# Altium PCB Velvet_Controller_v1.1_2022.PcbDoc (part 2 of 3)
Units mm, origin at the board's own origin, x right, y up, seen from the top; angles counter-clockwise.
Board outline 160.35 x 110.35 mm, 4 copper layers (Top Layer, VCC, GND, Bottom Layer), stack 1.444 mm thick; 158 components, 117 nets, 669 pads, 438 vias.
Unrouted connection lines stored in the file: 3.
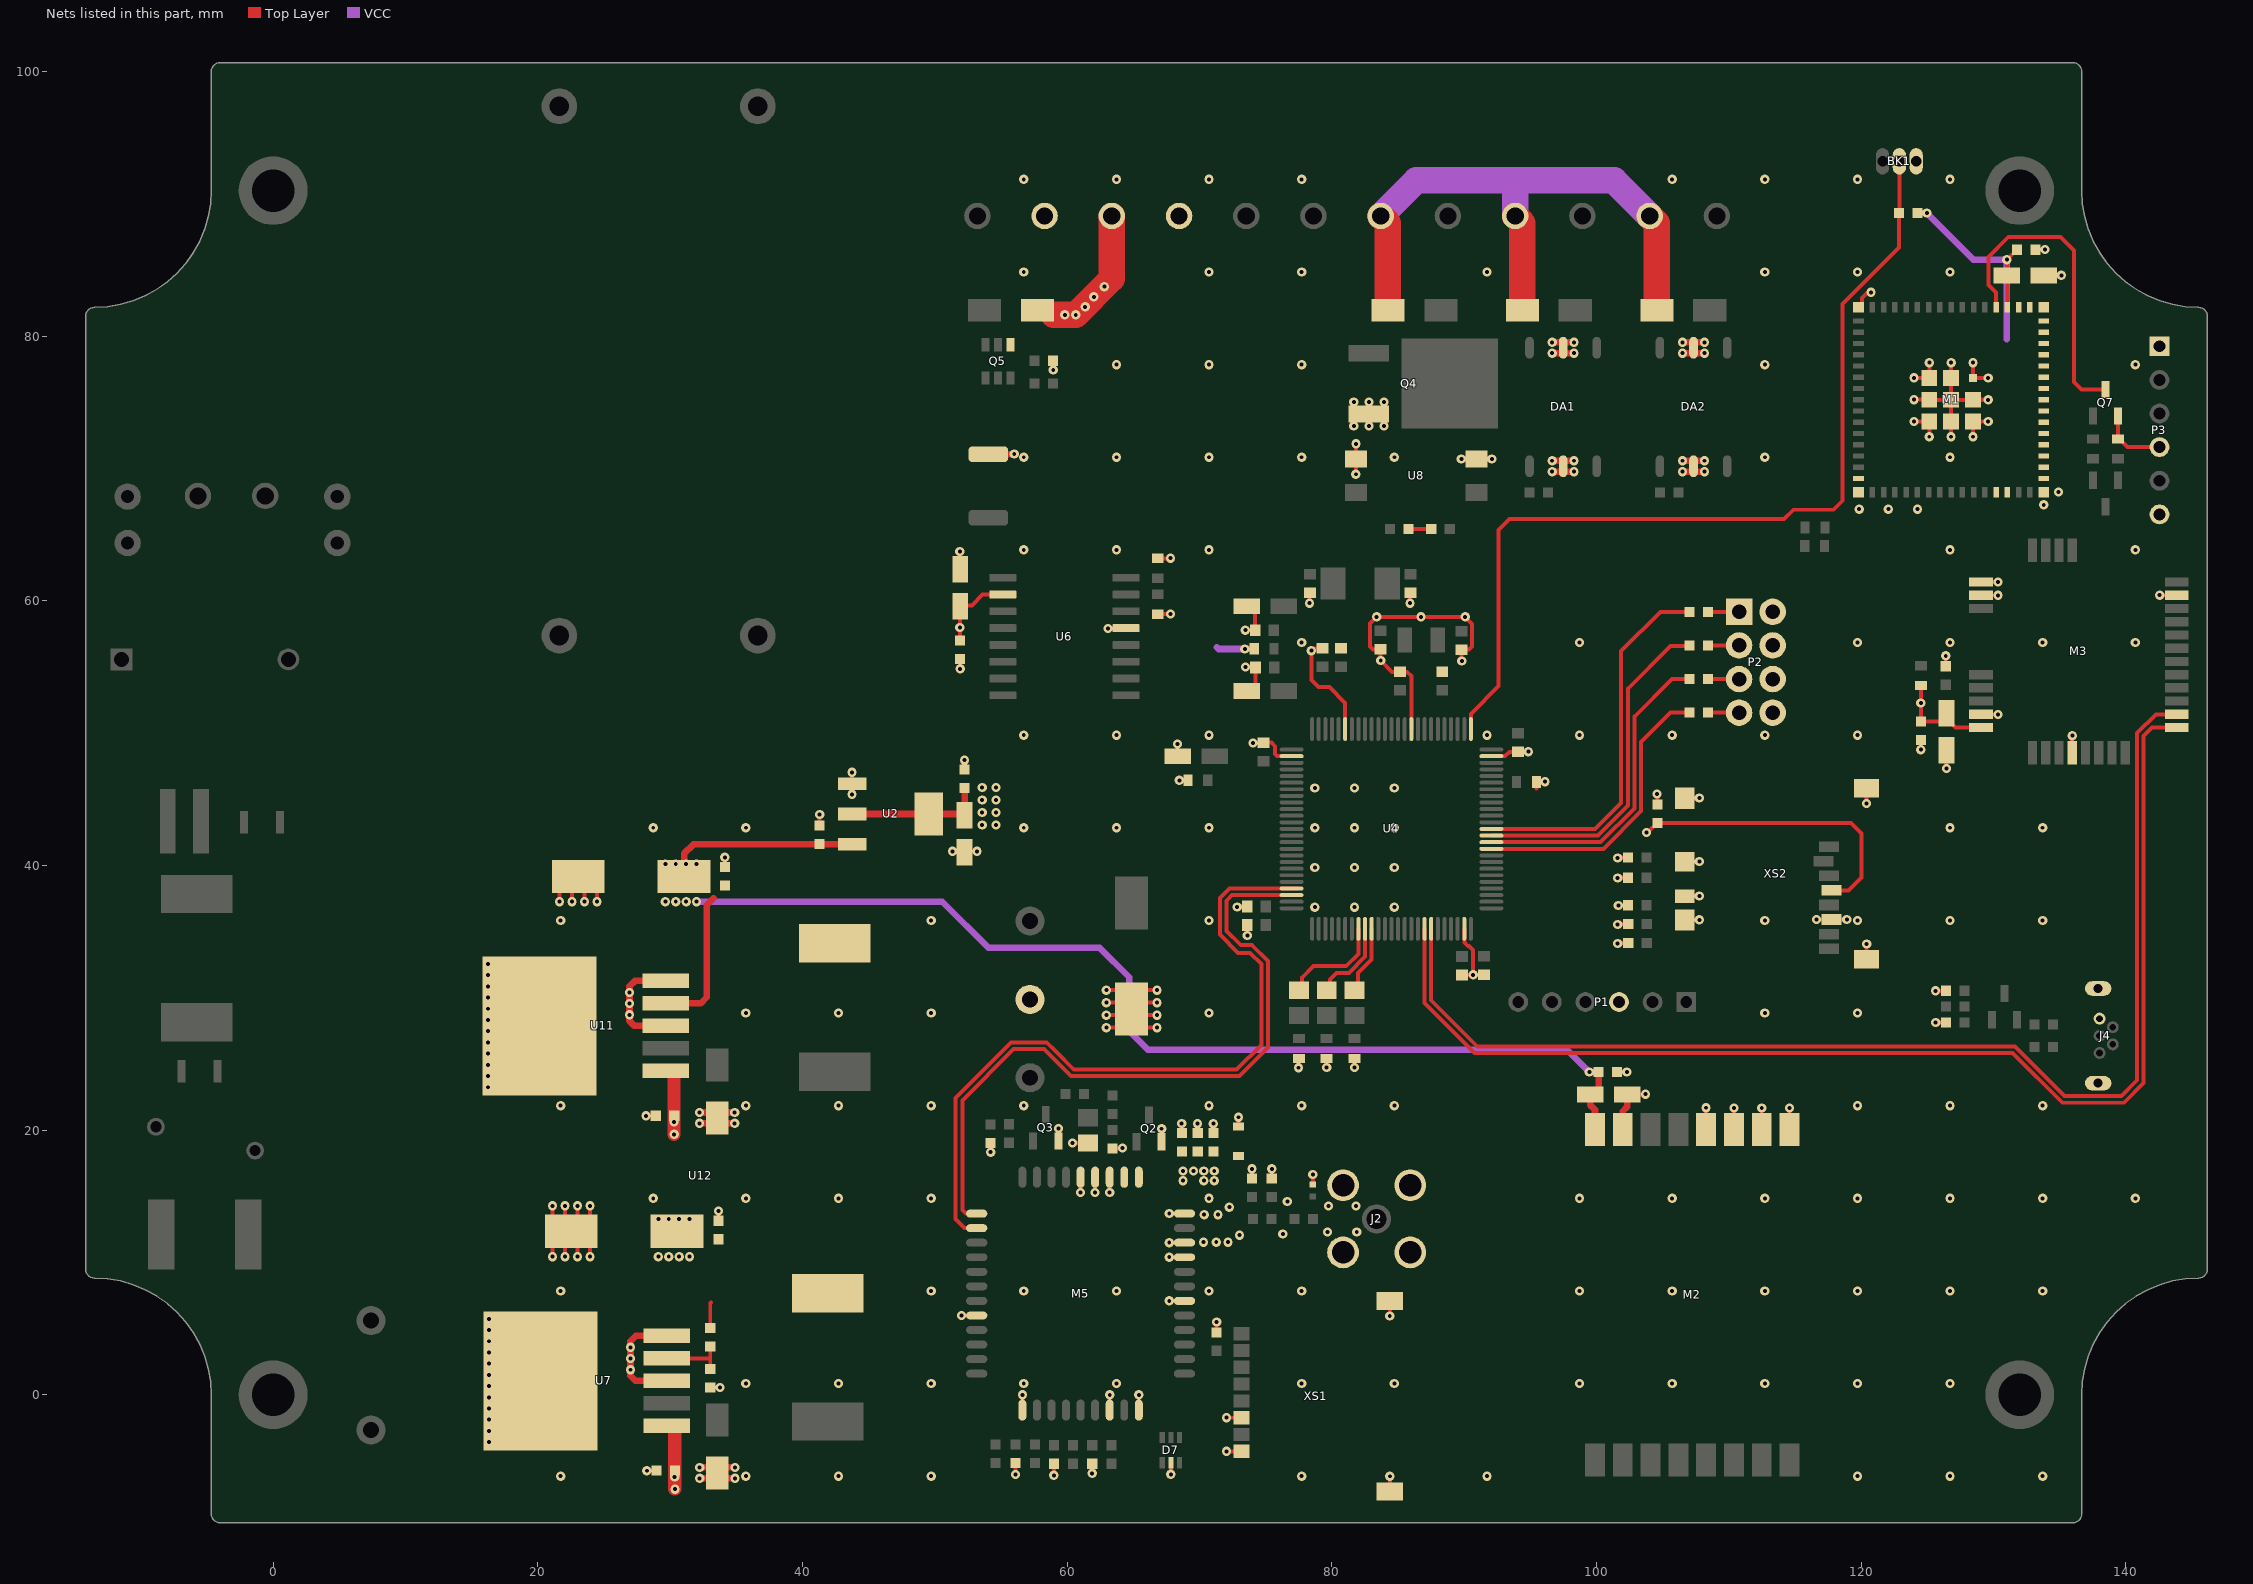
[diagram p4: the nets of this part, all layers, seen from the top]

## Part data (continued)
DA1 DA2: "LCA715S-TTP"
F8: library part 12, Current - Hold (Ih) (Max)=1A, Current - Max=10A, Current - Trip (It)=2A, Manufacturer="TE Connectivity Raychem Circuit Protection", Manufacturer Part Number=LVR100S, Package / Case="Radial, Disc", Supplier Part Number 1=LVR100S-ND, Voltage - Max=240V, Category="Circuit Protection", ComponentLink1Description=http://www.te.com/commerce/DocumentDelivery/DDEController?Action=srchrtrv&DocNm=SCD26610&DocType=SS&DocLang=EN, ComponentLink1URL=http://www.te.com/commerce/DocumentDelivery/DDEController?Action=srchrtrv&DocNm=SCD26610&DocType=SS&DocLang=EN, Packaging=Bulk, Pricing 1="1=1.74, 10=1.54, 100=1.38, 500=1.18, 1000=1.12, 2000=1.09001, 5000=1.02, 10000=0.87 (USD)", R Min/Max="0.200 ~ 0.330 Ohm", RoHS="RoHS Compliant", Stock 1=4143, Supplier 1=Digi-Key, Time to Trip=21s
GDT1: Impulse Discharge Current (8/20µs)="5000A (5kA)", Manufacturer="TE Connectivity Raychem Circuit Protection", Manufacturer Part Number=GTCA28-421M-R05, Package / Case="Axial Cylinder", Supplier Part Number 1=GTCA28-421M-R05-ND, Tolerance=±20%, Voltage - DC Spark Over (Nom)=420V, Category="Circuit Protection", ComponentLink1Description=http://www.te.com/commerce/DocumentDelivery/DDEController?Action=srchrtrv&DocNm=SCD27654&DocType=SS&DocLang=EN, ComponentLink1URL=http://www.te.com/commerce/DocumentDelivery/DDEController?Action=srchrtrv&DocNm=SCD27654&DocType=SS&DocLang=EN, Fail Short=No, Mounting Type="Through Hole", Number of Poles=2, Packaging=Tray, Pricing 1="1=0.56, 10=0.517, 100=0.47, 500=0.3666, 1000=0.31584, 5000=0.28952, 10000=0.2444, 50000=0.235, 1000000=0.2256 (USD)", RoHS="RoHS Compliant", Stock 1=994, Supplier 1=Digi-Key
J1 J6 J7: library part "Connection 2 PIN", "Connection -POENIX", Manufacturer="PHOENIX CONTACT", Manufacturer Part Number="1715721 (MKDS 1,5/2-5,08)", Part Number=PHOENIX_1715721, Author="CERN DEM JLC", ComponentHeight=13.8mm, Component Type=Standard, CreateDate=06.01.2010, HelpURL=\\cern.ch\dfs\Applications\Altium\Datasheets\PHOENIX_1715721.pdf, LatestRevisionDate=25.02.2013, Mounted=Yes, Part Description="17.5A, 400V, Terminal Block, Pitch 5.08mm, 2 Positions, Screw Connection", Pin Count=2, PressFit=No, Sense=No, SMD=No, Socket=No, Status=None
J2: library part AMPHENOL_132134, Dielectric Material=PTFE, Frequency=3GHz, Insulation Resistance=5GR, Manufacturer="TE Connectivity", Manufacturer Part Number=5-1814832-1, Max Operating Temperature=185°C, Min Operating Temperature=-67°C, Package Quantity=1, Supplier Part Number 1=A97594-ND, Author="CERN DEM JLC", Body Material=Zinc, Body Plating=Gold, Case/Package=SMA, Connector System=Cable-to-Board, Connector Type=Jack,SMA, Contact Material=Bronze, Contact Plating=Gold, Depth=6.4mm, ELV=Compliant, Family=SMA, Fastening Type=Threaded, Gender=Female, Impedance=50R, Insulation Material=Polytetrafluoroethylene, Lead Free="Lead Free", Length=0.532inch, Max Frequency=3GHz, Mount="PCB,Through Hole", Number of Positions=1, Orientation=Straight, Packaging=Box, Plating=Nickel, Polarity=Normal, Pricing 1="1=2.21, 10=2.121, 25=1.944, 50=1.8556, 100=1.7673, 250=1.54636, 500=1.50218, 1000=1.32545 (USD)", Radiation Hardening=No, REACH SVHC="No SVHC", Sealable="No (Without)", Stock 1=20161, Supplier 1=Digi-Key, Tail Length=4mm, Termination="Through Hole", Wire/Cable Type=Coaxial
J3 J5 J8 J9: library part PHOENIX_1715721, "Terminal Block, 2 Positions, Screw Connection", Manufacturer="PHOENIX CONTACT", Manufacturer Part Number="1715721 (MKDS 1,5/2-5,08)", Author="CERN DEM JLC", ComponentHeight=13.8mm, Component Type=Standard, CreateDate=06.01.2010, HelpURL=\\cern.ch\dfs\Applications\Altium\Datasheets\PHOENIX_1715721.pdf, LatestRevisionDate=25.02.2013, Mounted=Yes, Part Description="17.5A, 400V, Terminal Block, Pitch 5.08mm, 2 Positions, Screw Connection", Part Number=PHOENIX_1715721, Pin Count=2, PressFit=No, Sense=No, SMD=No, Socket=No, Status=None
J4: library part USB3145-XX-X_revB, "GCT (GLOBAL CONNECTOR TECHNOLOGY) - USB3145-30-1-A - MICRO USB, 2.0 TYPE B, RECEPTACLE, TH", Manufacturer="Global Connector Technology", Supplier Part Number 1=2073-USB3145-30-1-ACT-ND, Category="USB Connectors", ComponentLink1Description=https://datasheet.ciiva.com/22651/usb3145-22651761.pdf?src-supplier=Farnell, ComponentLink1URL=https://datasheet.ciiva.com/22651/usb3145-22651761.pdf?src-supplier=Farnell, ComponentLink2Description=https://datasheet.ciiva.com/28420/usb3145-28420533.pdf?src-supplier=Element14, ComponentLink2URL=https://datasheet.ciiva.com/28420/usb3145-28420533.pdf?src-supplier=Element14, ComponentLink3Description=https://datasheet.ciiva.com/46381/1841848-46381911.pdf?src-supplier=Element14, ComponentLink3URL=https://datasheet.ciiva.com/46381/1841848-46381911.pdf?src-supplier=Element14, Connector Type=USB, Contact Material="Copper,Copper Alloy", Contact Plating=Gold, Gender=Receptacle, Height=0.525inch, Lead Free="Lead Free", Length=0.525inch, Manufacturer Part Number=USB3145-30-1-A, Mount="Through Hole", Number of Contacts=5, Orientation=Vertical, REACH SVHC="No SVHC", RoHS=Yes, Supplier 1=Digi-Key, Termination="Through Hole", USB Standard="USB 2.0", Weight=0.001lb, Width=0.525inch
L1: library part 5, "Inductors throgh hole", Current - Saturation=1.8A, Current Rating=1.3A, DC Resistance (DCR)="155 mOhm Max", Frequency - Self Resonant=-, Frequency - Test=1MHz, Inductance=2.2µH, Manufacturer="TDK Corporation", Manufacturer Part Number=VLS252012T-2R2M1R3, Operating Temperature="-40°C ~ 105°C", Package / Case="1008 (2520 Metric)", Supplier Part Number 1=445-3670-1-ND, Tolerance=±20%, Category="Inductors, Coils, Chokes", ComponentLink1Description=http://media.digikey.com/pdf/Data%20Sheets/TDK%20PDFs/vls252012.pdf, ComponentLink1URL=http://media.digikey.com/pdf/Data%20Sheets/TDK%20PDFs/vls252012.pdf, Height - Seated (Max)="0.039\" (1.00mm)", Material - Core=-, Mounting Type="Surface Mount", Packaging="Cut Tape (CT)", Pricing 1="1=0.81, 10=0.72, 50=0.585, 100=0.54, 500=0.468, 1000=0.396 (USD)", Q @ Freq=-, RoHS="RoHS Compliant", Shielding=Shielded, Size / Dimension="0.098\" L x 0.079\" W (2.50mm x 2.00mm)", Stock 1=12814, Supplier 1=Digi-Key, Supplier Device Package="1008 (2520 Metric)", Type=Wirewound
L2: library part 5, "Inductors throgh hole", Current - Saturation=1.3A, Current Rating=1.38A, DC Resistance (DCR)="380 mOhm Max", Frequency - Self Resonant=4.2MHz, Frequency - Test=100kHz, Inductance=220µH, Manufacturer="Bourns Inc.", Manufacturer Part Number=SRR1260-221K, Operating Temperature="-40°C ~ 125°C", Package / Case=Nonstandard, Q @ Freq="22 @ 796kHz", Supplier Device Package=-, Supplier Part Number 1=SRR1260-221KCT-ND, Tolerance=±10%, Category="Inductors, Coils, Chokes", ComponentLink1Description=http://www.bourns.com/data/global/pdfs/SRR1260.pdf, ComponentLink1URL=http://www.bourns.com/data/global/pdfs/SRR1260.pdf, Height - Seated (Max)="0.256\" (6.50mm)", Material - Core=Ferrite, Mounting Type="Surface Mount", Packaging="Cut Tape (CT)", Pricing 1="1=0.99, 10=0.93, 25=0.868, 50=0.744, 100=0.7068, 250=0.6448 (USD)", RoHS="RoHS Compliant", Shielding=Shielded, Size / Dimension="0.492\" L x 0.492\" W (12.50mm x 12.50mm)", Stock 1=9927, Supplier 1=Digi-Key, Type=Wirewound
L3 L9: library part 3, "Sumida inductore ferrite core smd", Current Rating (Max)=400mA, DC Resistance (DCR) (Max)="500 mOhm", Impedance @ Frequency="1 kOhm @ 100MHz", Manufacturer="Murata Electronics North America", Manufacturer Part Number=BLM18AG102SN1D, Operating Temperature="-55°C ~ 125°C", Package / Case="0603 (1608 Metric)", Ratings=-, Supplier Part Number 1=490-1015-1-ND, Category=Filters, ComponentLink1Description=http://search.murata.co.jp/Ceramy/image/img/PDF/ENG/L0110S0100BLM18A.pdf, ComponentLink1URL=http://search.murata.co.jp/Ceramy/image/img/PDF/ENG/L0110S0100BLM18A.pdf, Filter Type=-, Height (Max)="0.037\" (0.95mm)", Mounting Type="Surface Mount", Number of Lines=1, Packaging="Cut Tape (CT)", Pricing 1="1=0.1, 10=0.079, 50=0.0648, 100=0.0476, 250=0.0346, 500=0.0317, 1000=0.02738 (USD)", RoHS="RoHS Compliant", Size / Dimension="0.063\" L x 0.031\" W (1.60mm x 0.80mm)", Stock 1=607561, Supplier 1=Digi-Key
L4: Current=1A, DC Resistance (DCR)="375 mOhm", Inductance=15mH, Manufacturer="Schaffner EMC Inc", Manufacturer Part Number=RN114-1-02, Operating Temperature="-40°C ~ 125°C", Package / Case="Horizontal, 4 PC Pin", Supplier Part Number 1=817-1539-ND, Category=Filters, ComponentLink1Description=http://schaffner.com/en/products/datasheet-low-res/product/rn-series-common-mode-chokes.pdf, ComponentLink1URL=http://schaffner.com/en/products/datasheet-low-res/product/rn-series-common-mode-chokes.pdf, Filter Type="Power Line", Height (Max)="0.531\" (13.50mm)", ID=1, Impedance=-, Mounting Type="Through Hole", Number of Lines=2, Packaging=Tray, Pricing 1="1=2.84, 10=2.599, 25=2.3624, 50=1.9846, 100=1.701, 250=1.60652, 500=1.512, 1000=1.4175, 2500=1.3965 (USD)", RoHS="RoHS Compliant", Size / Dimension="0.886\" L x 0.846\" W (22.50mm x 21.50mm)", Stock 1=4897, Supplier 1=Digi-Key
L5 L6: "BFB20022-4B-RC-ND"
L7 L8: "Magnetic-Core Inductor", Current - Saturation=2.7A, Current Rating=3A, DC Resistance (DCR)="102 mOhm Max", Frequency - Self Resonant=3.8MHz, Frequency - Test=100kHz, Inductance=68µH, Manufacturer="Bourns Inc.", Manufacturer Part Number=SRR1210-680M, Operating Temperature="-40°C ~ 125°C", Package / Case="Non Standard", Q @ Freq="12 @ 2.52MHz", Supplier Device Package=-, Supplier Part Number 1=SRR1210-680MCT-ND, Tolerance=±20%, Category="Inductors, Coils, Chokes", ComponentLink1Description=http://www.bourns.com/data/global/pdfs/SRR1210.pdf, ComponentLink1URL=http://www.bourns.com/data/global/pdfs/SRR1210.pdf, Height - Seated (Max)="0.394\" (10.00mm)", LatestRevisionDate=17-Jul-2002, LatestRevisionNote="Re-released for DXP Platform.", Material - Core=Ferrite, Mounting Type="Surface Mount", PackageDescription="Axial Device, Thru-Hole; 2 Leads; 0.9 in Pin Spacing", PackageReference=AXIAL-0.9, Packaging="Cut Tape (CT)", Pricing 1="1=1.06, 10=0.99, 25=0.924, 50=0.792, 100=0.7524 (USD)", Published=24-Mar-1999, Publisher="Altium Limited", RoHS="RoHS Compliant", Shielding=Shielded, Size / Dimension="0.472\" L x 0.472\" W (12.00mm x 12.00mm)", Stock 1=2411, Supplier 1=Digi-Key, Type=Wirewound
M1: "Wi-Fi module", Datasheet=https://www.espressif.com/en/support/download/documents
M3: library part "LoRa RAK3172"
M5: "GSM/GPS module"
P1: library part "Header 6", "Header, 6-Pin", LatestRevisionDate=17-Jul-2002, LatestRevisionNote="Re-released for DXP Platform.", Publisher="Altium Limited"
P2: "Header, 4-Pin, Dual row", LatestRevisionDate=17-Jul-2002, LatestRevisionNote="Re-released for DXP Platform.", Publisher="Altium Limited"
P3: "Header, 6-Pin", LatestRevisionDate=17-Jul-2002, LatestRevisionNote="Re-released for DXP Platform.", Publisher="Altium Limited"
Q1 Q3: "NPN General-purpose Transistor", Case/Package=SOT-23-3, Collector Base Voltage (VCBO)=50V, Collector Emitter Breakdown Voltage=45V, Collector Emitter Saturation Voltage=700mV, Emitter Base Voltage (VEBO)=5V, Frequency=100MHz, Manufacturer="ON Semiconductor", Manufacturer Part Number=BC817-16LT3G, Max Collector Current=500mA, Max Operating Temperature=150°C, Max Power Dissipation=300mW, Min Operating Temperature=-55°C, Package Quantity=10000, Supplier Part Number 1=BC817-16LT3GOSDKR-ND, Collector Emitter Voltage (VCEO)=45V, ComponentLink1Description=http://www.mccsemi.com/up_pdf/BC817-16~BC817-40(SOT-23).pdf, ComponentLink1URL=http://www.mccsemi.com/up_pdf/BC817-16~BC817-40(SOT-23).pdf, ComponentLink2Description=https://datasheet.ciiva.com/15139/getdatasheetpartid-84401-15139109.pdf, ComponentLink2URL=https://datasheet.ciiva.com/15139/getdatasheetpartid-84401-15139109.pdf, ComponentLink3Description=https://datasheet.ciiva.com/980/bc817-16lt1-d-980715.pdf, ComponentLink3URL=https://datasheet.ciiva.com/980/bc817-16lt1-d-980715.pdf, ComponentLink4Description=https://datasheet.ciiva.com/26115/bc817-16lt1-d-26115598.pdf, ComponentLink4URL=https://datasheet.ciiva.com/26115/bc817-16lt1-d-26115598.pdf, ComponentLink5Description=https://datasheet.ciiva.com/11204/bc817-16lt1-d-11204335.pdf, ComponentLink5URL=https://datasheet.ciiva.com/11204/bc817-16lt1-d-11204335.pdf, Contact Plating=Tin,Matte, Element Configuration=Single, Gain Bandwidth Product=100MHz, Halogen Free="Halogen Free", hFE Min=100, Lead Free="Lead Free", Max Breakdown Voltage=45V, Number of Elements=1, Number of Pins=3, Packaging="Tape and Reel", Polarity=NPN, Power Dissipation=300mW, Pricing 1="1=0.13, 10=0.121, 100=0.0658, 500=0.04048, 1000=0.02759 (USD)", Radiation Hardening=No, Stock 1=22032, Supplier 1=Digi-Key, Transition Frequency=100MHz
Q2: library part BC817-16, "NPN General-purpose Transistor", Case/Package=SOT-23-3, Collector Base Voltage (VCBO)=50V, Collector Emitter Breakdown Voltage=45V, Collector Emitter Saturation Voltage=700mV, Emitter Base Voltage (VEBO)=5V, Frequency=100MHz, Manufacturer="ON Semiconductor", Manufacturer Part Number=BC817-16LT3G, Max Collector Current=500mA, Max Operating Temperature=150°C, Max Power Dissipation=300mW, Min Operating Temperature=-55°C, Package Quantity=10000, Supplier Part Number 1=BC817-16LT3GOSDKR-ND, Collector Emitter Voltage (VCEO)=45V, ComponentLink1Description=http://www.mccsemi.com/up_pdf/BC817-16~BC817-40(SOT-23).pdf, ComponentLink1URL=http://www.mccsemi.com/up_pdf/BC817-16~BC817-40(SOT-23).pdf, ComponentLink2Description=https://datasheet.ciiva.com/15139/getdatasheetpartid-84401-15139109.pdf, ComponentLink2URL=https://datasheet.ciiva.com/15139/getdatasheetpartid-84401-15139109.pdf, ComponentLink3Description=https://datasheet.ciiva.com/980/bc817-16lt1-d-980715.pdf, ComponentLink3URL=https://datasheet.ciiva.com/980/bc817-16lt1-d-980715.pdf, ComponentLink4Description=https://datasheet.ciiva.com/26115/bc817-16lt1-d-26115598.pdf, ComponentLink4URL=https://datasheet.ciiva.com/26115/bc817-16lt1-d-26115598.pdf, ComponentLink5Description=https://datasheet.ciiva.com/11204/bc817-16lt1-d-11204335.pdf, ComponentLink5URL=https://datasheet.ciiva.com/11204/bc817-16lt1-d-11204335.pdf, Contact Plating=Tin,Matte, Element Configuration=Single, Gain Bandwidth Product=100MHz, Halogen Free="Halogen Free", hFE Min=100, Lead Free="Lead Free", Max Breakdown Voltage=45V, Number of Elements=1, Number of Pins=3, Packaging="Tape and Reel", Polarity=NPN, Power Dissipation=300mW, Pricing 1="1=0.13, 10=0.121, 100=0.0658, 500=0.04048, 1000=0.02759 (USD)", Radiation Hardening=No, Stock 1=22032, Supplier 1=Digi-Key, Transition Frequency=100MHz
Q4: "N-Channel MOSFET", LatestRevisionDate=17-Jul-2002, LatestRevisionNote="Re-released for DXP Platform.", PackageDescription="TO, Flat Index; 3 In-Line, Axial Leads; Body Dia. 4.6mm; Lead Dia. 0.5 mm (max)", PackageReference=E3, PackageVersion=1995/1996, Published=8-Jun-2000, Publisher="Altium Limited"
Q5: "MOSFET P-CHANNEL 20V 8A 6TSOP", Case/Package=TSOP, Continuous Drain Current (ID)=8A, Drain to Source Voltage (Vdss)=20V, Input Capacitance=1.825nF, Manufacturer=Vishay, Manufacturer Part Number=SI3493DDV-T1-GE3, Max Operating Temperature=150°C, Max Power Dissipation=3.6W, Min Operating Temperature=-55°C, Supplier Part Number 1=SI3493DDV-T1-GE3CT-ND, Category=MOSFETs, ComponentLink1Description=http://www.vishay.com/docs/74735/si3493ddv.pdf?src-supplier=Digi-Key, ComponentLink1URL=http://www.vishay.com/docs/74735/si3493ddv.pdf?src-supplier=Digi-Key, Mount="Surface Mount", Packaging="Tape and Reel", Pricing 1="1=0,37000, 10=0,29800, 25=0,27320, 100=0,17150, 500=0,15876, 1000=0,10795 (USD)", Rds On Max=24mR, RoHS=Yes, Stock 1=4252, Supplier 1=Digi-Key
Q6 Q7: library part NPN, "NPN Bipolar Transistor", Code_JEDEC=TO-226-AA, LatestRevisionDate=17-Jul-2002, LatestRevisionNote="Re-released for DXP Platform.", PackageDescription="TO, Flat Index; 3 In-Line, Axial Leads; Body Dia. 4.8mm; Leads 0.55 x 0.51 mm (max)", PackageReference=TO-226-AA, Published=8-Jun-2000, Publisher="Altium Limited"
R1 R33: library part 1, "Chip Resistor", Manufacturer="Stackpole Electronics Inc", Manufacturer Part Number=RMCF0603JT3K60, Operating Temperature="-55°C ~ 155°C", Package / Case="0603 (1608 Metric)", Power (Watts)="0.1W, 1/10W", Resistance (Ohms)=3.6k, Supplier Device Package=0603, Supplier Part Number 1=RMCF0603JT3K60CT-ND, Temperature Coefficient=±200ppm/°C, Tolerance=±5%, Category=Resistors, ComponentLink1Description=http://www.seielect.com/Catalog/SEI-RMCF_RMCP.pdf, ComponentLink1URL=http://www.seielect.com/Catalog/SEI-RMCF_RMCP.pdf, Composition="Thick Film", Features="Automotive AEC-Q200", Height="0.022\" (0.55mm)", ID=1, LatestRevisionDate=17-Jul-2002, LatestRevisionNote="Re-released for DXP Platform.", Number of Terminations=2, PackageDescription="Axial Device, Thru-Hole; 2 Leads; 0.3 in Pin Spacing", PackageReference=AXIAL-0.3, Packaging="Cut Tape (CT)", Pricing 1="1=0.1, 10=0.017, 50=0.0092, 100=0.007, 250=0.0052, 500=0.00384, 1000=0.00256, 2500=0.00216 (USD)", Published=8-Jun-2000, Publisher="Altium Limited", RoHS="RoHS Compliant", Size / Dimension="0.061\" L x 0.031\" W (1.55mm x 0.80mm)", Stock 1=6270, Supplier 1=Digi-Key
R2 R7: library part 1, "Chip Resistor", Case Code (Imperial)=0603, Case Code (Metric)=1608, Manufacturer=Panasonic, Manufacturer Part Number=ERJ-3GEYJ103V, Max Operating Temperature=155°C, Max Power Dissipation=100mW, Min Operating Temperature=-55°C, Resistance=10k, Supplier Part Number 1=P10KGDKR-ND, Temperature Coefficient=200ppm/°C, Tolerance=5%, Voltage Rating=75V, Voltage Rating (DC)=50V, Case/Package=0603, ComponentLink1Description=https://datasheet.ciiva.com/34303/2007265-34303757.pdf, ComponentLink1URL=https://datasheet.ciiva.com/34303/2007265-34303757.pdf, ComponentLink2Description=https://datasheet.ciiva.com/11809/0900766b80f806dd-11809566.pdf, ComponentLink2URL=https://datasheet.ciiva.com/11809/0900766b80f806dd-11809566.pdf, ComponentLink3Description=https://datasheet.ciiva.com/28514/1678796-28514213.pdf, ComponentLink3URL=https://datasheet.ciiva.com/28514/1678796-28514213.pdf, ComponentLink4Description=https://datasheet.ciiva.com/30147/4aoa0000ce1-30147029.pdf, ComponentLink4URL=https://datasheet.ciiva.com/30147/4aoa0000ce1-30147029.pdf, ComponentLink5Description=https://datasheet.ciiva.com/46371/1678796-46371909.pdf, ComponentLink5URL=https://datasheet.ciiva.com/46371/1678796-46371909.pdf, ComponentLink6Description=https://datasheet.ciiva.com/24133/aoa0000ce1-37422-24133064.pdf, ComponentLink6URL=https://datasheet.ciiva.com/24133/aoa0000ce1-37422-24133064.pdf, ComponentLink7Description=https://datasheet.ciiva.com/46385/1678796-46385240.pdf, ComponentLink7URL=https://datasheet.ciiva.com/46385/1678796-46385240.pdf, ComponentLink8Description=https://datasheet.ciiva.com/17212/aoa0000ce1-17212106.pdf, ComponentLink8URL=https://datasheet.ciiva.com/17212/aoa0000ce1-17212106.pdf, ComponentLink9Description=https://datasheet.ciiva.com/9117/aoa0000ce1-9117038.pdf, ComponentLink9URL=https://datasheet.ciiva.com/9117/aoa0000ce1-9117038.pdf, ComponentLink10Description=https://datasheet.ciiva.com/16740/aoa0000ce1-16740655.pdf, ComponentLink10URL=https://datasheet.ciiva.com/16740/aoa0000ce1-16740655.pdf, ComponentLink11Description=https://datasheet.ciiva.com/48531/aoa0000ce1-48531887.pdf, ComponentLink11URL=https://datasheet.ciiva.com/48531/aoa0000ce1-48531887.pdf, Composition="Thick Film", Contact Plating=Tin, Depth=0.8mm, Features="Automotive AEC-Q200", Height=0.45mm, Lead Free="Lead Free", Length=1.6mm, Military Standard=Not, Mount="Surface Mount", Number of Terminations=2, Package Quantity=1, Packaging="Tape and Reel", Power Rating=100mW, Pricing 1="1=0.1, 10=0.054, 100=0.022, 1000=0.00988, 2500=0.00858 (USD)", REACH SVHC="No SVHC", Stock 1=10740434, Supplier 1=Digi-Key, Termination=SMD/SMT, Weight=7.1E-05oz, Width=0.8mm, Working Voltage=75V
R3: "Chip Resistor", Case/Package=0603, Case Code (Metric)=1608, Manufacturer=Panasonic, Manufacturer Part Number=ERJ-3GEYJ103V, Max Operating Temperature=155°C, Max Power Dissipation=100mW, Min Operating Temperature=-55°C, Package Quantity=1, Resistance=330R, Supplier Part Number 1=P10KGDKR-ND, Temperature Coefficient=200ppm/°C, Tolerance=5%, Voltage Rating=75V, Voltage Rating (DC)=50V, Case Code (Imperial)=0603, ComponentLink1Description=https://datasheet.ciiva.com/34303/2007265-34303757.pdf, ComponentLink1URL=https://datasheet.ciiva.com/34303/2007265-34303757.pdf, ComponentLink2Description=https://datasheet.ciiva.com/11809/0900766b80f806dd-11809566.pdf, ComponentLink2URL=https://datasheet.ciiva.com/11809/0900766b80f806dd-11809566.pdf, ComponentLink3Description=https://datasheet.ciiva.com/28514/1678796-28514213.pdf, ComponentLink3URL=https://datasheet.ciiva.com/28514/1678796-28514213.pdf, ComponentLink4Description=https://datasheet.ciiva.com/30147/4aoa0000ce1-30147029.pdf, ComponentLink4URL=https://datasheet.ciiva.com/30147/4aoa0000ce1-30147029.pdf, ComponentLink5Description=https://datasheet.ciiva.com/46371/1678796-46371909.pdf, ComponentLink5URL=https://datasheet.ciiva.com/46371/1678796-46371909.pdf, ComponentLink6Description=https://datasheet.ciiva.com/24133/aoa0000ce1-37422-24133064.pdf, ComponentLink6URL=https://datasheet.ciiva.com/24133/aoa0000ce1-37422-24133064.pdf, ComponentLink7Description=https://datasheet.ciiva.com/46385/1678796-46385240.pdf, ComponentLink7URL=https://datasheet.ciiva.com/46385/1678796-46385240.pdf, ComponentLink8Description=https://datasheet.ciiva.com/17212/aoa0000ce1-17212106.pdf, ComponentLink8URL=https://datasheet.ciiva.com/17212/aoa0000ce1-17212106.pdf, ComponentLink9Description=https://datasheet.ciiva.com/9117/aoa0000ce1-9117038.pdf, ComponentLink9URL=https://datasheet.ciiva.com/9117/aoa0000ce1-9117038.pdf, ComponentLink10Description=https://datasheet.ciiva.com/16740/aoa0000ce1-16740655.pdf, ComponentLink10URL=https://datasheet.ciiva.com/16740/aoa0000ce1-16740655.pdf, ComponentLink11Description=https://datasheet.ciiva.com/48531/aoa0000ce1-48531887.pdf, ComponentLink11URL=https://datasheet.ciiva.com/48531/aoa0000ce1-48531887.pdf, Composition="Thick Film", Contact Plating=Tin, Depth=0.8mm, Features="Automotive AEC-Q200", Height=0.45mm, Lead Free="Lead Free", Length=1.6mm, Military Standard=Not, Mount="Surface Mount", Number of Terminations=2, Packaging="Tape and Reel", Power Rating=100mW, Pricing 1="1=0.1, 10=0.054, 100=0.022, 1000=0.00988, 2500=0.00858 (USD)", REACH SVHC="No SVHC", Stock 1=10740434, Supplier 1=Digi-Key, Termination=SMD/SMT, Weight=7.1E-05oz, Width=0.8mm, Working Voltage=75V
R4 R25: library part 1, "Chip Resistor", Case Code (Imperial)=0603, Case Code (Metric)=1608, Manufacturer=Panasonic, Manufacturer Part Number=ERJ-3GEYJ222V, Max Operating Temperature=155°C, Max Power Dissipation=100mW, Min Operating Temperature=-55°C, Resistance=4.7k, Supplier Part Number 1=P2.2KGDKR-ND, Temperature Coefficient=200ppm/°C, Tolerance=5%, Voltage Rating=75V, Voltage Rating (DC)=50V, Case/Package=0603, ComponentLink1Description=https://datasheet.ciiva.com/11821/0900766b80f806dd-11821453.pdf, ComponentLink1URL=https://datasheet.ciiva.com/11821/0900766b80f806dd-11821453.pdf, ComponentLink2Description=https://datasheet.ciiva.com/34303/1988639-34303614.pdf, ComponentLink2URL=https://datasheet.ciiva.com/34303/1988639-34303614.pdf, ComponentLink3Description=https://datasheet.ciiva.com/16760/70255313-16760341.pdf, ComponentLink3URL=https://datasheet.ciiva.com/16760/70255313-16760341.pdf, ComponentLink4Description=https://datasheet.ciiva.com/9117/aoa0000ce1-9117127.pdf, ComponentLink4URL=https://datasheet.ciiva.com/9117/aoa0000ce1-9117127.pdf, ComponentLink5Description=https://datasheet.ciiva.com/46380/1500035-46380411.pdf, ComponentLink5URL=https://datasheet.ciiva.com/46380/1500035-46380411.pdf, ComponentLink6Description=https://datasheet.ciiva.com/16765/70255313-16765244.pdf, ComponentLink6URL=https://datasheet.ciiva.com/16765/70255313-16765244.pdf, ComponentLink7Description=https://datasheet.ciiva.com/16199/aoa0000ce1-16199902.pdf, ComponentLink7URL=https://datasheet.ciiva.com/16199/aoa0000ce1-16199902.pdf, ComponentLink8Description=https://datasheet.ciiva.com/16853/aoa0000ce1-16853407.pdf, ComponentLink8URL=https://datasheet.ciiva.com/16853/aoa0000ce1-16853407.pdf, ComponentLink9Description=https://datasheet.ciiva.com/22758/1500035-22758223.pdf, ComponentLink9URL=https://datasheet.ciiva.com/22758/1500035-22758223.pdf, ComponentLink10Description=https://datasheet.ciiva.com/28584/1678796-28584095.pdf, ComponentLink10URL=https://datasheet.ciiva.com/28584/1678796-28584095.pdf, Composition="Thick Film", Contact Plating=Tin, Depth=0.8mm, Features="Automotive AEC-Q200", Height=0.45mm, Lead Free="Lead Free", Length=1.6mm, Military Standard=Not, Mount="Surface Mount", Number of Terminations=2, Package Quantity=1, Packaging="Tape and Reel", Power Rating=100mW, Pricing 1="1=0.1, 10=0.054, 100=0.022, 1000=0.00988, 2500=0.00858 (USD)", Radiation Hardening=No, REACH SVHC="No SVHC", Stock 1=1578287, Supplier 1=Digi-Key, Termination=SMD/SMT, Width=0.8mm, Working Voltage=75V
R5 R42: library part 1, "Chip Resistor", Case/Package=0603, Case Code (Metric)=1608, Manufacturer=Panasonic, Manufacturer Part Number=ERJ-3GEYJ103V, Max Operating Temperature=155°C, Max Power Dissipation=100mW, Min Operating Temperature=-55°C, Resistance="4.7 k", Supplier Part Number 1=P10KGDKR-ND, Temperature Coefficient=200ppm/°C, Tolerance=5%, Voltage Rating=75V, Voltage Rating (DC)=50V, Case Code (Imperial)=0603, ComponentLink1Description=https://datasheet.ciiva.com/34303/2007265-34303757.pdf, ComponentLink1URL=https://datasheet.ciiva.com/34303/2007265-34303757.pdf, ComponentLink2Description=https://datasheet.ciiva.com/11809/0900766b80f806dd-11809566.pdf, ComponentLink2URL=https://datasheet.ciiva.com/11809/0900766b80f806dd-11809566.pdf, ComponentLink3Description=https://datasheet.ciiva.com/28514/1678796-28514213.pdf, ComponentLink3URL=https://datasheet.ciiva.com/28514/1678796-28514213.pdf, ComponentLink4Description=https://datasheet.ciiva.com/30147/4aoa0000ce1-30147029.pdf, ComponentLink4URL=https://datasheet.ciiva.com/30147/4aoa0000ce1-30147029.pdf, ComponentLink5Description=https://datasheet.ciiva.com/46371/1678796-46371909.pdf, ComponentLink5URL=https://datasheet.ciiva.com/46371/1678796-46371909.pdf, ComponentLink6Description=https://datasheet.ciiva.com/24133/aoa0000ce1-37422-24133064.pdf, ComponentLink6URL=https://datasheet.ciiva.com/24133/aoa0000ce1-37422-24133064.pdf, ComponentLink7Description=https://datasheet.ciiva.com/46385/1678796-46385240.pdf, ComponentLink7URL=https://datasheet.ciiva.com/46385/1678796-46385240.pdf, ComponentLink8Description=https://datasheet.ciiva.com/17212/aoa0000ce1-17212106.pdf, ComponentLink8URL=https://datasheet.ciiva.com/17212/aoa0000ce1-17212106.pdf, ComponentLink9Description=https://datasheet.ciiva.com/9117/aoa0000ce1-9117038.pdf, ComponentLink9URL=https://datasheet.ciiva.com/9117/aoa0000ce1-9117038.pdf, ComponentLink10Description=https://datasheet.ciiva.com/16740/aoa0000ce1-16740655.pdf, ComponentLink10URL=https://datasheet.ciiva.com/16740/aoa0000ce1-16740655.pdf, ComponentLink11Description=https://datasheet.ciiva.com/48531/aoa0000ce1-48531887.pdf, ComponentLink11URL=https://datasheet.ciiva.com/48531/aoa0000ce1-48531887.pdf, Composition="Thick Film", Contact Plating=Tin, Depth=0.8mm, Features="Automotive AEC-Q200", Height=0.45mm, Lead Free="Lead Free", Length=1.6mm, Military Standard=Not, Mount="Surface Mount", Number of Terminations=2, Package Quantity=1, Packaging="Tape and Reel", Power Rating=100mW, Pricing 1="1=0.1, 10=0.054, 100=0.022, 1000=0.00988, 2500=0.00858 (USD)", REACH SVHC="No SVHC", Stock 1=10740434, Supplier 1=Digi-Key, Termination=SMD/SMT, Weight=7.1E-05oz, Width=0.8mm, Working Voltage=75V